# Altium PCB ATM1099C-0627-ssy-1.brd.PcbDoc (part 2 of 4)
Units mm, origin at the board's own origin, x right, y up, seen from the top; angles counter-clockwise.
Board outline 134 x 90 mm, 4 copper layers (TOP, GND, POWER, BOTTOM), stack 1.562 mm thick; 290 components, 303 nets, 1209 pads, 571 vias.
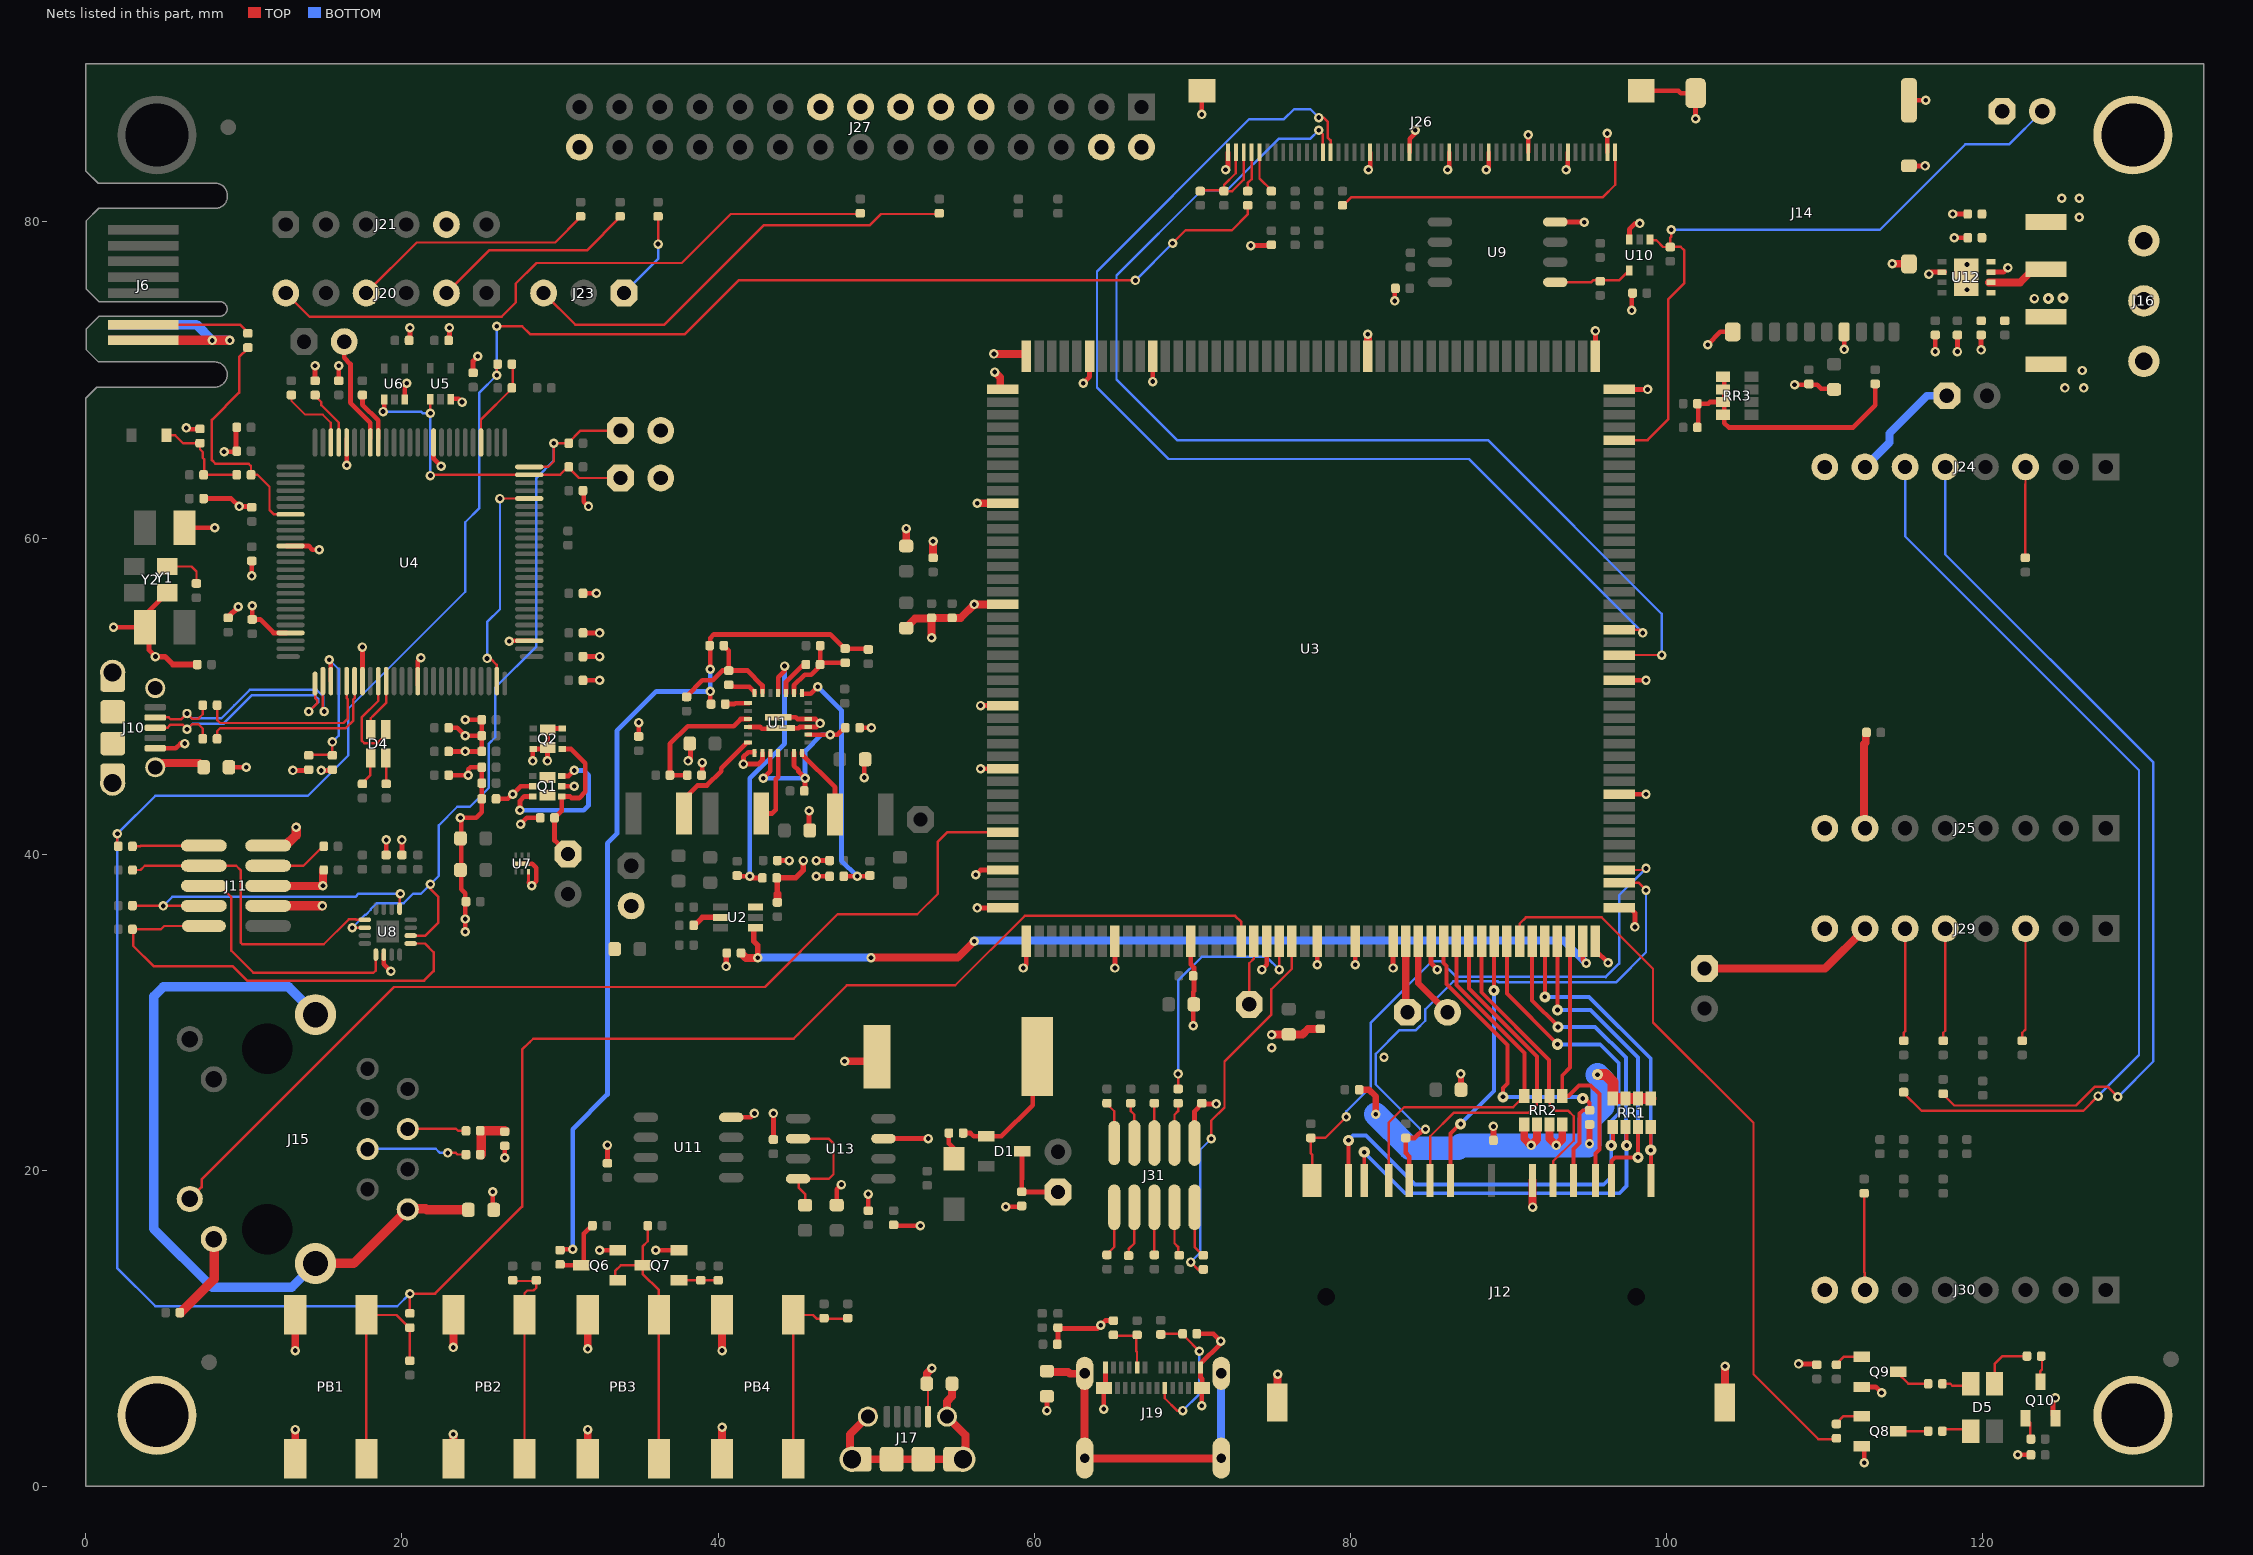
[diagram p4: the nets of this part, all layers, seen from the top]

## Part data (continued)
J1 J2 J4 J7 J8 J9 J13 J18 J22 J28: library part CON1108, Manufacturer 1=FCI, Manufacturer 4=Samtec, Manufacturer 5=Sullins, Manufacturer 6="SPC Technology", Manufacturer 8=Nextron, Manufacturer Part Number 1=77311-118-02LF, Manufacturer Part Number 2=68001-202HLF, Manufacturer Part Number 3=68000-202HLF, Manufacturer Part Number 4=TSW-102-07-G-S, Manufacturer Part Number 5=PBC02SAAN, Manufacturer Part Number 6=SPC20481, Manufacturer Part Number 7=TSW-102-07-F-S, Manufacturer Part Number 8=R-211-0211-0021-000, Manufacturer Part Number 9=TSW-102-07-S-S, Supplier Part Number 1=609-4434-ND, Category=Connector, ComponentLink1Description="SVN Datasheet", ComponentLink1URL=https://chn-vm-apps.microchip.com/mchprepo/parts/Datasheets/77311.pdf, ComponentLink2Description="Local Datasheet", ComponentLink2URL=C:\ALTIUM_WORK\00001_MCHP-CDB\Datasheets\77311.pdf, ComponentLink3Description="Open Symbol", ComponentLink3URL="C:\ALTIUM_WORK\00001_MCHP-CDB\Library\LibraryRefs\Header 1x2.SchLib", ComponentLink4Description="Open Footprint", ComponentLink4URL=C:\ALTIUM_WORK\00001_MCHP-CDB\Library\Footprints\HDR_M_2.54_1x2.PcbLib, ComponentLink5Description="Open Footprint 2", ComponentLink6Description="Open Footprint 3", ComponentLink7Description="Open Footprint 4", Description_="CON HDR-2.54 Male 1x2 Gold 5.84MH TH VERT", Dev Tools Status=Production, Manufacturer 2=FCI, Manufacturer 3=FCI, Manufacturer 7=Samtec, Manufacturer 9=Samtec, MCHP-ID=CON1108, Owner="Bogdan P (M91398)", Quantity Override=1, Revision=1, Status="MCL Design", Supplier 1=Digi-Key, Supplier 2=Digi-Key, Supplier 3=Digi-Key, Supplier 4=Digi-Key, Supplier 5=Digi-Key, Supplier 6=Newark, Supplier 7=Newark, Supplier 8=Raynen, Supplier 9=Samtec, Supplier Part Number 2=609-3469-ND, Supplier Part Number 3=609-3502-ND, Supplier Part Number 4=SAM1029-02-ND, Supplier Part Number 5=S1011E-02-ND, Supplier Part Number 6=93K5734, Supplier Part Number 7=79P3146, Supplier Part Number 8=R-211-0211-0021-000, Supplier Part Number 9=TSW-102-07-S-S, Symbol="Header 1x2", Type="Header 2.54mm"
  J1 J2 J4 J7 J8 J9 J13 J22 J28: Populated=Yes
  J18: Populated=DNP
J5 J32: library part CON0182, "CON HDR-2.54 Male 1x1 Gold 5.97MH TH VERT", Manufacturer 1=Nextron, Manufacturer 2=Samtec, Manufacturer Part Number 1=211-0111-0021-400, Manufacturer Part Number 2=TSW-101-07-G-S, Manufacturer Part Number 3=TSW-101-07-L-S, Manufacturer Part Number 4=TSW-101-07-S-S, Supplier Part Number 1=CONN00405E01M, Category=Connector, ComponentLink1Description="SVN Datasheet", ComponentLink1URL=https://chn-vm-apps.microchip.com/mchprepo/parts/Datasheets/TSW-XXX-XX-XXX-X-XX-XXX-MKT.pdf, ComponentLink2Description="Local Datasheet", ComponentLink2URL=C:\ALTIUM_WORK\00001_MCHP-CDB\Datasheets\TSW-XXX-XX-XXX-X-XX-XXX-MKT.pdf, ComponentLink3Description="Open Symbol", ComponentLink3URL="C:\ALTIUM_WORK\00001_MCHP-CDB\Library\LibraryRefs\Header 1x1.SchLib", ComponentLink4Description="Open Footprint", ComponentLink4URL=C:\ALTIUM_WORK\00001_MCHP-CDB\Library\Footprints\HDR_M_2.54_1x1.PcbLib, ComponentLink5Description="Open Footprint 2", ComponentLink6Description="Open Footprint 3", ComponentLink7Description="Open Footprint 4", Description_="CON HDR-2.54 Male 1x1 Gold 5.97MH TH VERT", Dev Tools Status=Production, Manufacturer 3=Samtec, Manufacturer 4=Samtec, MCHP-ID=CON0182, Populated=DNP, Quantity Override=1, Revision=3, Status="MCL Design", Supplier 1=Raynen, Supplier 2=Samtec, Supplier 3=Samtec, Supplier 4=Samtec, Supplier Part Number 2=TSW-101-07-G-S, Supplier Part Number 3=TSW-101-07-L-S, Supplier Part Number 4=TSW-101-07-S-S, Symbol="Header 1x1", Type="Header 2.54mm"
J6: library part CON1674, "CON_PCB_MEC1-108-02-F-D-RA1-SL", Current=1.6A, Manufacturer 1="Samtec Inc.", Manufacturer Part Number 1=MEC1-108-02-F-D-RA1-SL, Supplier Part Number 1=SAM11473-ND, Category=Connector, ComponentLink1Description="SVN Datasheet", ComponentLink1URL=https://chn-vm-apps.microchip.com/mchprepo/parts/Datasheets/mec1-1xx-xx-x-d-rax-x-sl-footprint.pdf, ComponentLink2Description="Local Datasheet", ComponentLink2URL=C:\ALTIUM_WORK\00001_MCHP-CDB\Datasheets\mec1-1xx-xx-x-d-rax-x-sl-footprint.pdf, ComponentLink3Description="Open Symbol", ComponentLink3URL=C:\ALTIUM_WORK\00001_MCHP-CDB\Library\LibraryRefs\CON_PCB_MEC1-108-02-F-D-RA1-SL.SchLib, ComponentLink4Description="Open Footprint", ComponentLink4URL=C:\ALTIUM_WORK\00001_MCHP-CDB\Library\Footprints\CON_EDGE-CARD_PCB_RA_MEC1-108-02-F-D-RA1-SL.PcbLib, ComponentLink5Description="Open Footprint 2", ComponentLink6Description="Open Footprint 3", ComponentLink7Description="Open Footprint 4", Description_="CON EDGE MEC1 1mm 14P Male PCB VERT", Dev Tools Status=Design, MCHP-ID=CON1674, Owner="Dragos Danaila", Populated=NO, Quantity Override=1, Revision=C, Status="MCL Design", Supplier 1=Digi-Key, Symbol=CON_PCB_MEC1-108-02-F-D-RA1-SL, Type="Edge Card"
J10 J17: library part CON1383, "Connector USB Mini", Manufacturer 1=FCI, Manufacturer 2=YangMing, Manufacturer Part Number 1=10118194-0001LF, Manufacturer Part Number 2=YM-02-363-N05F, Supplier Part Number 1=609-4618-1-ND, Category=Connector, ComponentLink1Description="SVN Datasheet", ComponentLink1URL=https://chn-vm-apps.microchip.com/mchprepo/parts/Datasheets/10118194.pdf, ComponentLink2Description="Local Datasheet", ComponentLink2URL=C:\ALTIUM_WORK\00001_MCHP-CDB\Datasheets\10118194.pdf, ComponentLink3Description="Open Symbol", ComponentLink3URL="C:\ALTIUM_WORK\00001_MCHP-CDB\Library\LibraryRefs\CON USB2.0 Mini_Micro.SchLib", ComponentLink4Description="Open Footprint", ComponentLink4URL=C:\ALTIUM_WORK\00001_MCHP-CDB\Library\Footprints\CON_USB_Micro-AB_SMD_TH_RA_FCI_10118194-0001LF.PcbLib, ComponentLink5Description="Open Footprint 2", ComponentLink6Description="Open Footprint 3", ComponentLink7Description="Open Footprint 4", Description_="CON USB2.0 MICRO-B FEMALE TH/SMD R/A", Dev Tools Status=Production, MCHP-ID=CON1383, Owner="Jamus Griego", Populated=YES, Quantity Override=1, Revision=1, Status="MCL Design", Supplier 1=Digi-Key, Supplier 2=Raynen, Supplier Part Number 2="YangMing YM-02-363-N05F", Symbol="CON USB2.0 Mini_Micro", Type=USB
J11: library part CON1047, "CON HDR-1.27 Male 2x5 Gold 3.05MH SMD VERT", Manufacturer 1=Samtec, Manufacturer Part Number 1=FTSH-105-01-F-DV-K, Category=Connector, ComponentLink1Description="SVN Datasheet", ComponentLink1URL=https://chn-vm-apps.microchip.com/mchprepo/parts/Datasheets/FTSH-1XX-XX-XXX-DV-XXX-MKT.pdf, ComponentLink2Description="Local Datasheet", ComponentLink2URL=C:\ALTIUM_WORK\00001_MCHP-CDB\Datasheets\FTSH-1XX-XX-XXX-DV-XXX-MKT.pdf, ComponentLink3Description="Open Symbol", ComponentLink3URL="C:\ALTIUM_WORK\00001_MCHP-CDB\Library\LibraryRefs\Header 2x5.SchLib", ComponentLink4Description="Open Footprint", ComponentLink4URL=C:\ALTIUM_WORK\00001_MCHP-CDB\Library\Footprints\HDR_M_1.27_2x5_SMD_V_SAM_FTSH-105-01-F-DV-K.PcbLib, ComponentLink5Description="Open Footprint 2", ComponentLink6Description="Open Footprint 3", ComponentLink7Description="Open Footprint 4", Description_="CON HDR-1.27 Male 2x5 Gold 3.05MH SMD VERT", Dev Tools Status=Production, MCHP-ID=CON1047, Owner="Tad Ahlvers", Populated=YES, Quantity Override=1, Revision=2, Status="MCL Design", Supplier 1=Samtec, Supplier Part Number 1=FTSH-105-01-F-DV-K, Symbol="Header 2x5", Type="Header 1.27mm"
J12: library part CON1681, "5 IN 1 CARD CONNECTOR(SD & MMC", Manufacturer 1="Kingconn Technology Co., Ltd.", Manufacturer Part Number 1=7SDMM-X0-2211, Category=Connector, ComponentLink1Description="SVN Datasheet", ComponentLink1URL=https://chn-vm-apps.microchip.com/mchprepo/parts/Datasheets/7SDMM-X0-2211-C.pdf, ComponentLink2Description="Local Datasheet", ComponentLink2URL=C:\ALTIUM_WORK\00001_MCHP-CDB\Datasheets\7SDMM-X0-2211-C.pdf, ComponentLink3Description="Open Symbol", ComponentLink3URL=C:\ALTIUM_WORK\00001_MCHP-CDB\Library\LibraryRefs\SD_MMCPlus_CARD.SchLib, ComponentLink4Description="Open Footprint", ComponentLink4URL=C:\ALTIUM_WORK\00001_MCHP-CDB\Library\Footprints\7SDMM-X0-2211.PcbLib, ComponentLink5Description="Open Footprint 2", ComponentLink6Description="Open Footprint 3", ComponentLink7Description="Open Footprint 4", Description_="CON FLASH SD/MMC 14P Push-Pull SMD R/A", Dev Tools Status=Design, MCHP-ID=CON1681, Owner="Dragos Danaila", Populated=YES, Quantity Override=1, Revision=A, Status="MCL Design", Supplier 1="Kingconn Technology Co., Ltd.", Supplier Part Number 1=7SDMM-X0-2211, Symbol=SD_MMCPlus_CARD, Type="Flash Card"
J14: library part CON1640, Current=0.5A, Manufacturer 1="Hirose Electric Co Ltd", Manufacturer Part Number 1=DM3AT-SF-PEJM5, Supplier Part Number 1=HR1964CT-ND, Voltage=125VAC, Category=Connector, ComponentLink1Description="SVN Datasheet", ComponentLink1URL=https://chn-vm-apps.microchip.com/mchprepo/parts/Datasheets/DM3_catalog, ComponentLink2Description="Local Datasheet", ComponentLink2URL=C:\ALTIUM_WORK\00001_MCHP-CDB\Datasheets\DM3_catalog, ComponentLink3Description="Open Symbol", ComponentLink3URL="C:\ALTIUM_WORK\00001_MCHP-CDB\Library\LibraryRefs\CON FLASH Micro SD Card w DET + GND.SchLib", ComponentLink4Description="Open Footprint", ComponentLink4URL="C:\ALTIUM_WORK\00001_MCHP-CDB\Library\Footprints\CON FLASH microSD 8+2P Push-Push SMD.PcbLib", ComponentLink5Description="Open Footprint 2", ComponentLink6Description="Open Footprint 3", ComponentLink7Description="Open Footprint 4", Description_="CON FLASH microSD 8+2P Push-Push SMD", Dev Tools Status=Design, MCHP-ID=CON1640, Owner="Dragos Danaila", Populated=YES, Quantity Override=1, Revision=A, Status="MCL Design", Supplier 1=Digi-Key, Symbol="CON FLASH Micro SD Card w DET + GND", Type="Flash Card"
J15: library part CON1658, "CON MODULAR RJ45 ETHERNET J00-0061NL", Manufacturer 1="Pulse Electronics", Manufacturer Part Number 1=J00-0061NL, Supplier Part Number 1=553-1479-ND, Category=Connector, ComponentLink1Description="SVN Datasheet", ComponentLink1URL=https://chn-vm-apps.microchip.com/mchprepo/parts/Datasheets/J414.pdf, ComponentLink2Description="Local Datasheet", ComponentLink2URL=C:\ALTIUM_WORK\00001_MCHP-CDB\Datasheets\J414.pdf, ComponentLink3Description="Open Symbol", ComponentLink3URL="C:\ALTIUM_WORK\00001_MCHP-CDB\Library\LibraryRefs\RJ45 J00-0061.SchLib", ComponentLink4Description="Open Footprint", ComponentLink4URL=C:\ALTIUM_WORK\00001_MCHP-CDB\Library\Footprints\J00-0061NL_RJ45_connector.PcbLib, ComponentLink5Description="Open Footprint 2", ComponentLink6Description="Open Footprint 3", ComponentLink7Description="Open Footprint 4", Description_="CON MODULAR RJ45 ETHERNET J00-0061NL", Dev Tools Status=Design, MCHP-ID=CON1658, Owner="Dragos Danaila", Populated=YES, Quantity Override=1, Revision=B, Status="MCL Design", Supplier 1=Digi-Key, Symbol="RJ45 J00-0061", Type=Modular
J16: library part CON1643, Current=13.5A, Manufacturer 1="Phoenix Contact", Manufacturer Part Number 1=1727023, Supplier Part Number 1=277-1948-ND, Voltage=300V, Category=Connector, ComponentLink1Description="SVN Datasheet", ComponentLink1URL=https://chn-vm-apps.microchip.com/mchprepo/parts/Datasheets/1727023.pdf, ComponentLink2Description="Local Datasheet", ComponentLink2URL=C:\ALTIUM_WORK\00001_MCHP-CDB\Datasheets\1727023.pdf, ComponentLink3Description="Open Symbol", ComponentLink3URL="C:\ALTIUM_WORK\00001_MCHP-CDB\Library\LibraryRefs\CON TERM BLK 1x3 TH Mount.SchLib", ComponentLink4Description="Open Footprint", ComponentLink4URL=C:\ALTIUM_WORK\00001_MCHP-CDB\Library\Footprints\CON_TERMINAL_3.81_1x3_TH_RA_PHO_1727023.PcbLib, ComponentLink5Description="Open Footprint 2", ComponentLink6Description="Open Footprint 3", ComponentLink7Description="Open Footprint 4", Description_="CON TERMINAL 3.81 1x3 TH RA PHO", Dev Tools Status=Design, MCHP-ID=CON1643, Owner="Dragos Danaila", Populated=YES, Quantity Override=1, Revision=A, Status="MCL Design", Supplier 1=Digi-Key, Symbol="CON TERM BLK 1x3 TH Mount", Type="Terminal Block"
J19: library part CON1642, Current=0.25A, Manufacturer 1="Molex, LLC", Manufacturer Part Number 1=1054500101, Supplier Part Number 1=WM12856CT-ND, Voltage=30V, Category=Connector, ComponentLink1Description="SVN Datasheet", ComponentLink1URL=https://chn-vm-apps.microchip.com/mchprepo/parts/Datasheets/PS-105448-001.pdf, ComponentLink2Description="Local Datasheet", ComponentLink2URL=C:\ALTIUM_WORK\00001_MCHP-CDB\Datasheets\PS-105448-001.pdf, ComponentLink3Description="Open Symbol", ComponentLink3URL="C:\ALTIUM_WORK\00001_MCHP-CDB\Library\LibraryRefs\CON USB3.1-C Female SMD RA.SchLib", ComponentLink4Description="Open Footprint", ComponentLink4URL="C:\ALTIUM_WORK\00001_MCHP-CDB\Library\Footprints\CON USB3.1-C Female SMD RA 1054500101.PcbLib", ComponentLink5Description="Open Footprint 2", ComponentLink6Description="Open Footprint 3", ComponentLink7Description="Open Footprint 4", Description_="CON USB3.1-C Female SMD RA", Dev Tools Status=Design, MCHP-ID=CON1642, Owner="Dragos Danaila", Populated=YES, Quantity Override=1, Revision=A, Status="MCL Design", Supplier 1=Digi-Key, Symbol="CON USB3.1-C Female SMD RA", Type=USB
J20: library part CON1106, Manufacturer 1=FCI, Manufacturer 3="Samtec Inc", Manufacturer Part Number 1=68001-106HLF, Manufacturer Part Number 2=68000-106HLF, Manufacturer Part Number 3=TSW-106-07-G-S, Supplier Part Number 1=609-3272-ND, Category=Connector, ComponentLink1Description="SVN Datasheet", ComponentLink1URL=https://chn-vm-apps.microchip.com/mchprepo/parts/Datasheets/68000.pdf, ComponentLink2Description="Local Datasheet", ComponentLink2URL=C:\ALTIUM_WORK\00001_MCHP-CDB\Datasheets\68000.pdf, ComponentLink3Description="Open Symbol", ComponentLink3URL="C:\ALTIUM_WORK\00001_MCHP-CDB\Library\LibraryRefs\Header 1x6.SchLib", ComponentLink4Description="Open Footprint", ComponentLink4URL=C:\ALTIUM_WORK\00001_MCHP-CDB\Library\Footprints\HDR_M_2.54_1x6.PcbLib, ComponentLink5Description="Open Footprint 2", ComponentLink6Description="Open Footprint 3", ComponentLink7Description="Open Footprint 4", Description_="CON HDR-2.54 Male 1x6 Gold 5.84MH TH VERT", Dev Tools Status=Production, Manufacturer 2=FCI, MCHP-ID=CON1106, Owner="Bogdan P (M91398)", Populated=Yes, Quantity Override=1, Revision=0, Status="MCL Design", Supplier 1=Digi-Key, Supplier 2=Digi-Key, Supplier 3=Digi-Key, Supplier Part Number 2=609-3249-ND, Supplier Part Number 3=SAM1029-06-ND, Symbol="Header 1x6", Type="Header 2.54mm"
J21: library part CON0170, Manufacturer 1=Sullins, Manufacturer 2=Mill-Max, Manufacturer 3=Samtec, Manufacturer Part Number 1=PPPC061LGBN-RC, Manufacturer Part Number 2=801-43-006-20-001000, Manufacturer Part Number 3=SSW-106-02-F-S-RA, Supplier Part Number 1=S5481-ND, Category=Connector, ComponentLink1Description="SVN Datasheet", ComponentLink1URL=https://chn-vm-apps.microchip.com/mchprepo/parts/Datasheets/SSW-1XX-22-XXX-X-XX-XX-X-XX-MKT.pdf, ComponentLink2Description="Local Datasheet", ComponentLink2URL=C:\ALTIUM_WORK\00001_MCHP-CDB\Datasheets\SSW-1XX-22-XXX-X-XX-XX-X-XX-MKT.pdf, ComponentLink3Description="Open Symbol", ComponentLink3URL="C:\ALTIUM_WORK\00001_MCHP-CDB\Library\LibraryRefs\Header 1x6.SchLib", ComponentLink4Description="Open Footprint", ComponentLink4URL=C:\ALTIUM_WORK\00001_MCHP-CDB\Library\Footprints\HDR_F_2.54_1x6_RA.PcbLib, ComponentLink5Description="Open Footprint 2", ComponentLink6Description="Open Footprint 3", ComponentLink7Description="Open Footprint 4", Description_="CON HDR-2.54 Female 1x6 Gold TH R/A", Dev Tools Status=Production, MCHP-ID=CON0170, Populated=Yes, Quantity Override=1, Revision=3, Status="MCL Design", Supplier 1=Digi-Key, Supplier 2=Mill-Max, Supplier 3=Samtec, Supplier Part Number 2=801-43-006-20-001000, Supplier Part Number 3=SSW-106-02-F-S-RA, Symbol="Header 1x6", Type="Header 2.54mm"
J23: library part CON1105, Manufacturer 1=FCI, Manufacturer Part Number 1=68000-103HLF, Supplier Part Number 1=609-3461-ND, Category=Connector, ComponentLink1Description="SVN Datasheet", ComponentLink1URL=https://chn-vm-apps.microchip.com/mchprepo/parts/Datasheets/68000.pdf, ComponentLink2Description="Local Datasheet", ComponentLink2URL=C:\ALTIUM_WORK\00001_MCHP-CDB\Datasheets\68000.pdf, ComponentLink3Description="Open Symbol", ComponentLink3URL="C:\ALTIUM_WORK\00001_MCHP-CDB\Library\LibraryRefs\Header 1x3.SchLib", ComponentLink4Description="Open Footprint", ComponentLink4URL=C:\ALTIUM_WORK\00001_MCHP-CDB\Library\Footprints\HDR_M_2.54_1x3.PcbLib, ComponentLink5Description="Open Footprint 2", ComponentLink6Description="Open Footprint 3", ComponentLink7Description="Open Footprint 4", Description_="CON HDR-2.54 Male 1x3 Gold 5.84MH TH VERT", Dev Tools Status=Production, MCHP-ID=CON1105, Owner="Bogdan P (M91398)", Populated=Yes, Quantity Override=1, Revision=0, Status="MCL Design", Supplier 1=Digi-Key, Symbol="Header 1x3", Type="Header 2.54mm"
J24 J25 J29 J30: library part CON1363, "CON HDR-2.54 Female 1x8 Gold TH", Manufacturer 1="Sullins Connector Solutions", Manufacturer Part Number 1=PPPC081LFBN-RC, Supplier Part Number 1=S7041-ND, Category=Connector, ComponentLink1Description="SVN Datasheet", ComponentLink1URL=https://chn-vm-apps.microchip.com/mchprepo/parts/Datasheets/78_P(N)PxCxxxLFBN-RC,_10492-G.pdf, ComponentLink2Description="Local Datasheet", ComponentLink2URL=C:\ALTIUM_WORK\00001_MCHP-CDB\Datasheets\78_P(N)PxCxxxLFBN-RC,_10492-G.pdf, ComponentLink3Description="Open Symbol", ComponentLink3URL="C:\ALTIUM_WORK\00001_MCHP-CDB\Library\LibraryRefs\Header 1x8.SchLib", ComponentLink4Description="Open Footprint", ComponentLink4URL=C:\ALTIUM_WORK\00001_MCHP-CDB\Library\Footprints\HDR_F_2.54_1X8.PcbLib, ComponentLink5Description="Open Footprint 2", ComponentLink6Description="Open Footprint 3", ComponentLink7Description="Open Footprint 4", Description_="CON HDR-2.54 Female 1x8 Gold TH", Dev Tools Status=Production, MCHP-ID=CON1363, Owner="Jamus Griego", Populated=YES, Quantity Override=1, Revision=1, Status="MCL Design", Supplier 1=Digi-Key, Symbol="Header 1x8", Type="Header 2.54mm"
J26: library part CON1372, Current=0.5A, Manufacturer 1="Omron Electronics Inc-EMC Div", Manufacturer Part Number 1=XF2M-5015-1A, Supplier Part Number 1=OR732CT-ND, Category=Connector, ComponentLink1Description="SVN Datasheet", ComponentLink1URL=https://chn-vm-apps.microchip.com/mchprepo/parts/Datasheets/XF2M_0713.pdf, ComponentLink2Description="Local Datasheet", ComponentLink2URL=C:\ALTIUM_WORK\00001_MCHP-CDB\Datasheets\XF2M_0713.pdf, ComponentLink3Description="Open Symbol", ComponentLink3URL="C:\ALTIUM_WORK\00001_MCHP-CDB\Library\LibraryRefs\CON FFC 1x50 Mount.SchLib", ComponentLink4Description="Open Footprint", ComponentLink4URL=C:\ALTIUM_WORK\00001_MCHP-CDB\Library\Footprints\CON_FFC_0.5_FEMALE_1X50_SMD_OMR_XF2M-5015-1A.PcbLib, ComponentLink5Description="Open Footprint 2", ComponentLink6Description="Open Footprint 3", ComponentLink7Description="Open Footprint 4", Description_="CON FFC/FPC XF2M 0.5mm 50P Female SMD R/A", Dev Tools Status=Production, MCHP-ID=CON1372, Owner="Tad Ahlvers", Populated=YES, Quantity Override=1, Revision=1, Status="MCL Design", Supplier 1=Digi-Key, Symbol="CON FFC 1x50 Mount", Type=FFC/FPC
J27: library part CON1580, Manufacturer 1="Wurth Electronics Inc.", Manufacturer Part Number 1=61303021121, Supplier Part Number 1=732-5306-ND, Category=Connector, ComponentLink1Description="SVN Datasheet", ComponentLink1URL=https://chn-vm-apps.microchip.com/mchprepo/parts/Datasheets/ENG_CD_147062_L_147062_c.dwg.pdf, ComponentLink2Description="Local Datasheet", ComponentLink2URL=C:\ALTIUM_WORK\00001_MCHP-CDB\Datasheets\ENG_CD_147062_L_147062_c.dwg.pdf, ComponentLink3Description="Open Symbol", ComponentLink3URL="C:\ALTIUM_WORK\00001_MCHP-CDB\Library\LibraryRefs\Header 2x15.SchLib", ComponentLink4Description="Open Footprint", ComponentLink4URL=C:\ALTIUM_WORK\00001_MCHP-CDB\Library\Footprints\HDR_M_2.54_2x15.PcbLib, ComponentLink5Description="Open Footprint 2", ComponentLink6Description="Open Footprint 3", ComponentLink7Description="Open Footprint 4", Description_="30 Positions Header, Unshrouded, Breakaway Connector 0.100\" (2.54mm) Through Hole Gold", Dev Tools Status=Production, MCHP-ID=CON1580, Owner="Tim Moffat", Populated=YES, Quantity Override=1, Revision=1, Status="MCL Design", Supplier 1=Digi-Key, Symbol="Header 2x15", Type="Header 2.54mm"
J31: library part CON1644, Current=3.3A, Manufacturer 1="Samtec Inc.", Manufacturer Part Number 1=FTS-105-01-L-DV-A, Supplier Part Number 1=FTS-105-01-L-DV-A-ND, Voltage=-, Category=Connector, ComponentLink1Description="SVN Datasheet", ComponentLink1URL=https://chn-vm-apps.microchip.com/mchprepo/parts/Datasheets/fts.pdf, ComponentLink2Description="Local Datasheet", ComponentLink2URL=C:\ALTIUM_WORK\00001_MCHP-CDB\Datasheets\fts.pdf, ComponentLink3Description="Open Symbol", ComponentLink3URL="C:\ALTIUM_WORK\00001_MCHP-CDB\Library\LibraryRefs\Header 2x5.SchLib", ComponentLink4Description="Open Footprint", ComponentLink4URL=C:\ALTIUM_WORK\00001_MCHP-CDB\Library\Footprints\HDR_M_1.27_2x5_SMD_V_SAM_FTS-105-01-L-DV.PcbLib, ComponentLink5Description="Open Footprint 2", ComponentLink6Description="Open Footprint 3", ComponentLink7Description="Open Footprint 4", Description_="CON HDR-1.27 Male 2x5 SMD VERT", Dev Tools Status=Design, MCHP-ID=CON1644, Owner="Dragos Danaila", Populated=YES, Quantity Override=1, Revision=A, Status="MCL Design", Supplier 1=Digi-Key, Symbol="Header 2x5", Type="Header 1.27mm"